# Altium PCB tester_board.PcbDoc (part 1 of 4) (continued)
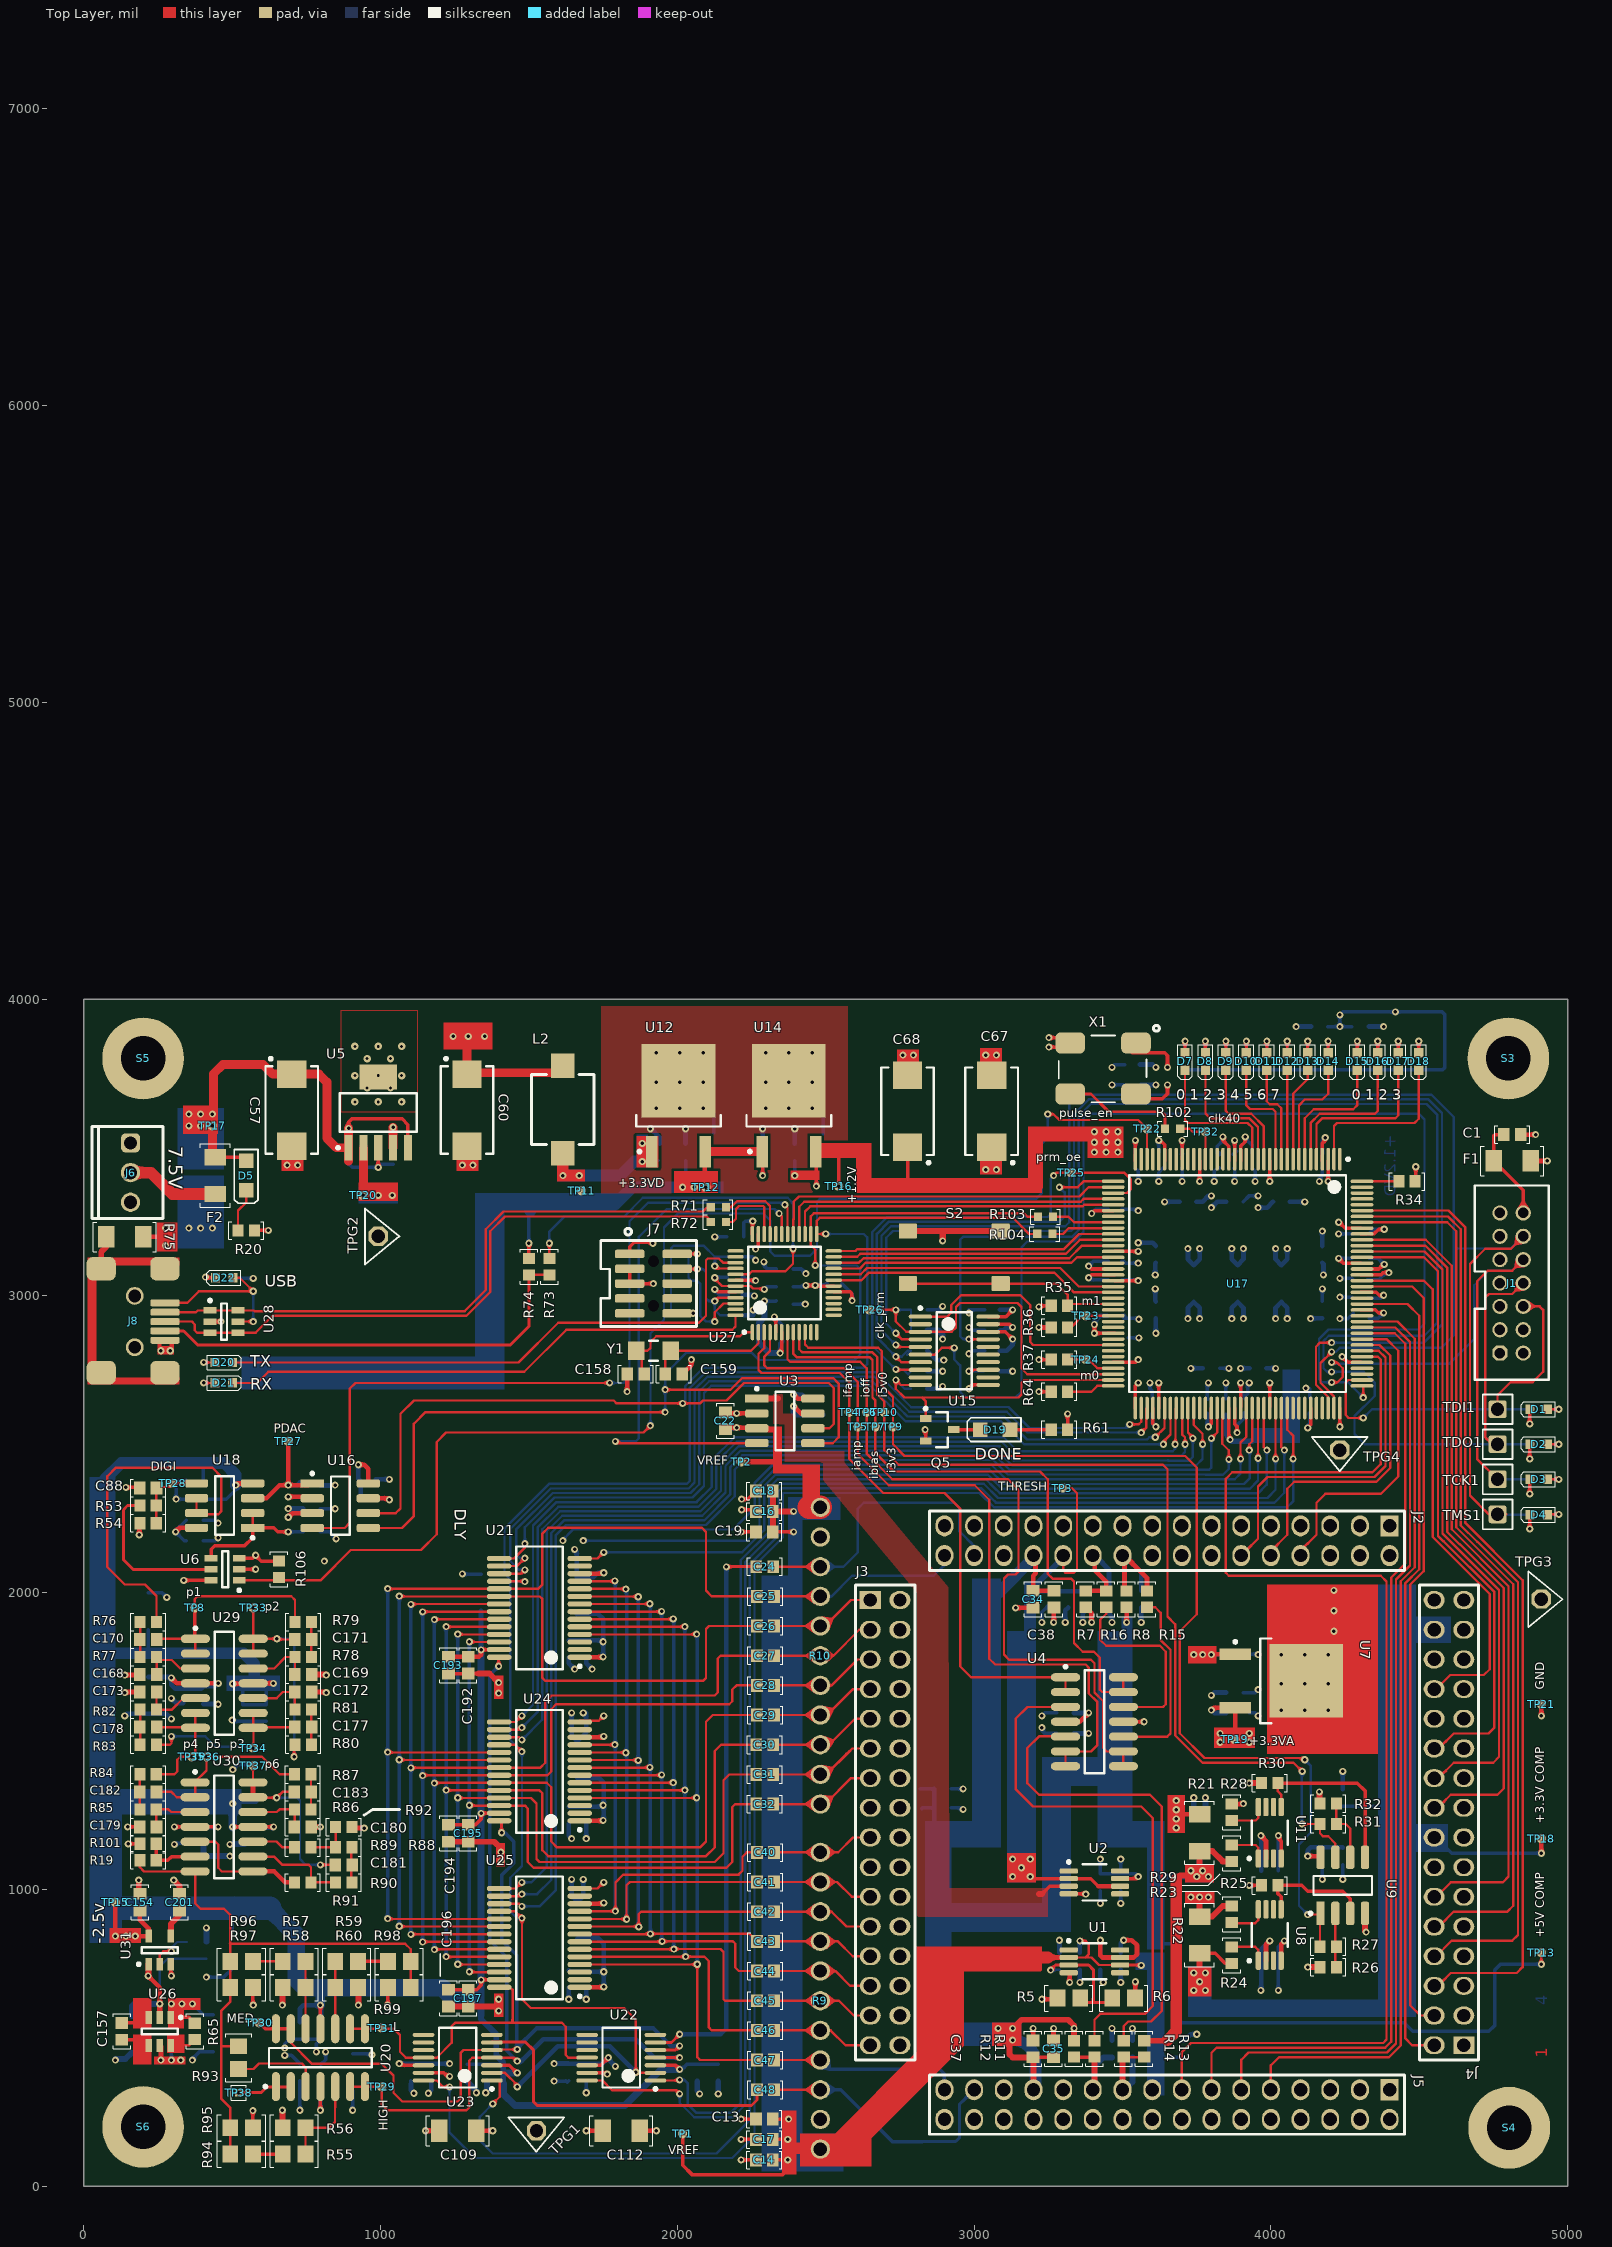
[diagram p0: Top Layer view]
## Footprints (in the part's own frame and the unit in brackets; to place one, negate y for a bottom-side part, rotate by r counter-clockwise, add the part's x,y. Pads: shape width x height; smd on the part's side, far side on the other; paste and mask are expansions set on the pad) (continued)
TPG [mil]
  oct 65x65 hole 45: 1(0,0)
  silkscreen extent -95,-71 94,44
TQFP-144 [mm]
  oval 1.95x0.3 smd mask+0.102: 1(-10.65,8.75) 2(-10.65,8.25) 3(-10.65,7.75) 4(-10.65,7.25) 5(-10.65,6.75) 6(-10.65,6.25) 7(-10.65,5.75) 8(-10.65,5.25) 9(-10.65,4.75) 10(-10.65,4.25) 11(-10.65,3.75) 12(-10.65,3.25) 13(-10.65,2.75) 14(-10.65,2.25) 15(-10.65,1.75) 16(-10.65,1.25) 17(-10.65,0.75) 18(-10.65,0.25) 19(-10.65,-0.25) 20(-10.65,-0.75) 21(-10.65,-1.25) 22(-10.65,-1.75) 23(-10.65,-2.25) 24(-10.65,-2.75) 25(-10.65,-3.25) 26(-10.65,-3.75) 27(-10.65,-4.25) 28(-10.65,-4.75) 29(-10.65,-5.25) 30(-10.65,-5.75) 31(-10.65,-6.25) 32(-10.65,-6.75) 33(-10.65,-7.25) 34(-10.65,-7.75) 35(-10.65,-8.25) 36(-10.65,-8.75) 73(10.65,-8.75) 74(10.65,-8.25) 75(10.65,-7.75) 76(10.65,-7.25) 77(10.65,-6.75) 78(10.65,-6.25) 79(10.65,-5.75) 80(10.65,-5.25) 81(10.65,-4.75) 82(10.65,-4.25) 83(10.65,-3.75) 84(10.65,-3.25) 85(10.65,-2.75) 86(10.65,-2.25) 87(10.65,-1.75) 88(10.65,-1.25) 89(10.65,-0.75) 90(10.65,-0.25) 91(10.65,0.25) 92(10.65,0.75) 93(10.65,1.25) 94(10.65,1.75) 95(10.65,2.25) 96(10.65,2.75) 97(10.65,3.25) 98(10.65,3.75) 99(10.65,4.25) 100(10.65,4.75) 101(10.65,5.25) 102(10.65,5.75) 103(10.65,6.25) 104(10.65,6.75) 105(10.65,7.25) 106(10.65,7.75) 107(10.65,8.25) 108(10.65,8.75)
  oval 0.3x1.95 smd mask+0.102: 37(-8.75,-10.65) 38(-8.25,-10.65) 39(-7.75,-10.65) 40(-7.25,-10.65) 41(-6.75,-10.65) 42(-6.25,-10.65) 43(-5.75,-10.65) 44(-5.25,-10.65) 45(-4.75,-10.65) 46(-4.25,-10.65) 47(-3.75,-10.65) 48(-3.25,-10.65) 49(-2.75,-10.65) 50(-2.25,-10.65) 51(-1.75,-10.65) 52(-1.25,-10.65) 53(-0.75,-10.65) 54(-0.25,-10.65) 55(0.25,-10.65) 56(0.75,-10.65) 57(1.25,-10.65) 58(1.75,-10.65) 59(2.25,-10.65) 60(2.75,-10.65) 61(3.25,-10.65) 62(3.75,-10.65) 63(4.25,-10.65) 64(4.75,-10.65) 65(5.25,-10.65) 66(5.75,-10.65) 67(6.25,-10.65) 68(6.75,-10.65) 69(7.25,-10.65) 70(7.75,-10.65) 71(8.25,-10.65) 72(8.75,-10.65) 109(8.75,10.65) 110(8.25,10.65) 111(7.75,10.65) 112(7.25,10.65) 113(6.75,10.65) 114(6.25,10.65) 115(5.75,10.65) 116(5.25,10.65) 117(4.75,10.65) 118(4.25,10.65) 119(3.75,10.65) 120(3.25,10.65) 121(2.75,10.65) 122(2.25,10.65) 123(1.75,10.65) 124(1.25,10.65) 125(0.75,10.65) 126(0.25,10.65) 127(-0.25,10.65) 128(-0.75,10.65) 129(-1.25,10.65) 130(-1.75,10.65) 131(-2.25,10.65) 132(-2.75,10.65) 133(-3.25,10.65) 134(-3.75,10.65) 135(-4.25,10.65) 136(-4.75,10.65) 137(-5.25,10.65) 138(-5.75,10.65) 139(-6.25,10.65) 140(-6.75,10.65) 141(-7.25,10.65) 142(-7.75,10.65) 143(-8.25,10.65) 144(-8.75,10.65)
  silkscreen extent -10.77,-9.28 9.28,9.57, body extent -10,-10 10,10, height 1.6
TSQFP50P900X900X120-48N [mm] "TSQFP, 48-Leads, Body 7.00x7.00mm, Pitch 0.50mm, IPC Medium Density"
  oval 1.4x0.3 smd: 1(-4.2,2.75) 2(-4.2,2.25) 3(-4.2,1.75) 4(-4.2,1.25) 5(-4.2,0.75) 6(-4.2,0.25) 7(-4.2,-0.25) 8(-4.2,-0.75) 9(-4.2,-1.25) 10(-4.2,-1.75) 11(-4.2,-2.25) 12(-4.2,-2.75) 25(4.2,-2.75) 26(4.2,-2.25) 27(4.2,-1.75) 28(4.2,-1.25) 29(4.2,-0.75) 30(4.2,-0.25) 31(4.2,0.25) 32(4.2,0.75) 33(4.2,1.25) 34(4.2,1.75) 35(4.2,2.25) 36(4.2,2.75)
  oval 0.3x1.4 smd: 13(-2.75,-4.2) 14(-2.25,-4.2) 15(-1.75,-4.2) 16(-1.25,-4.2) 17(-0.75,-4.2) 18(-0.25,-4.2) 19(0.25,-4.2) 20(0.75,-4.2) 21(1.25,-4.2) 22(1.75,-4.2) 23(2.25,-4.2) 24(2.75,-4.2) 37(2.75,4.2) 38(2.25,4.2) 39(1.75,4.2) 40(1.25,4.2) 41(0.75,4.2) 42(0.25,4.2) 43(-0.25,4.2) 44(-0.75,4.2) 45(-1.25,4.2) 46(-1.75,4.2) 47(-2.25,4.2) 48(-2.75,4.2)
  silkscreen extent -4.32,-3.1 3.1,3.57, body extent -4.5,-4.5 4.5,4.5, height 1.2
TSSOP-14 [mm] "TSSOP, 14-Leads, Body 5.50x4.40mm, Pitch 0.65mm, IPC Low Density"
  oval 1.85x0.35 smd: 1(-2.925,1.95) 2(-2.925,1.3) 3(-2.925,0.65) 4(-2.925,0) 5(-2.925,-0.65) 6(-2.925,-1.3) 7(-2.925,-1.95) 8(2.925,-1.95) 9(2.925,-1.3) 10(2.925,-0.65) 11(2.925,0) 12(2.925,0.65) 13(2.925,1.3) 14(2.925,1.95)
  silkscreen extent -3.05,-2.55 1.6,2.8, body extent -2.25,-2.55 2.25,2.55, height 1.2
XTAL-SMD [mm]
  rrect50% 2.54x1.803 smd: 1(-2.75,-2.25) 2(2.875,-2.25) 3(2.875,2.125) 4(-2.75,2.125)
  silkscreen extent -4.75,-3.75 3.85,2.83

## Part data
C1 C2 C4 C9 C11 C13 C19 C21 C23 C36 C37 C38 C55 C58 C59 C62 C64 C70 C73 C75 C79 C80 C93 C95 C98 C101 C104 C107 C110 C113 C118 C123 C130 C131 C132 C133 C140 C144 C147 C157 C160 C164 C166 C175 C184 C187 C190 C192 C194 C196 C198 C202: library part Murata/GRM188R61E105KA12D, "CAP-CER, 2, 1.0uF, 10%, 25V, 0603", Capacitance=1µF, Manufacturer="Murata Electronics North America", Manufacturer Part Number=GRM188R61E105KA12D, Operating Temperature="-55°C ~ 85°C", Package / Case="0603 (1608 Metric)", Ratings=-, Supplier Part Number 1=490-3897-1-ND, Temperature Coefficient=X5R, Tolerance=±10%, Voltage - Rated=25V, Applications="General Purpose", Category=Capacitors, ComponentLink1Description=http://www.murata.com/~/media/webrenewal/support/library/catalog/products/capacitor/mlcc/c02e.pdf, ComponentLink1URL=http://www.murata.com/~/media/webrenewal/support/library/catalog/products/capacitor/mlcc/c02e.pdf, Features=-, Height - Seated (Max)=-, Lead Spacing=-, Lead Style=-, Mounting Type="Surface Mount, MLCC", Packaging="Cut Tape (CT)", Pricing 1="1=0.1, 10=0.036, 50=0.0196, 100=0.0165, 250=0.01352, 500=0.01156, 1000=0.009 (USD)", RoHS="RoHS Compliant", Size / Dimension="0.063\" L x 0.031\" W (1.60mm x 0.80mm)", Stock 1=1899119, Supplier 1=Digi-Key, Thickness (Max)="0.035\" (0.90mm)"
C3 C5 C6 C7 C8 C10 C14 C15 C16 C17 C18 C20 C22 C33 C34 C35 C51 C52 C53 C54 C56 C61 C63 C66 C72 C74 C76 C77 C82 C83 C84 C85 C86 C87 C89 C90 C91 C92 C94 C99 C102 C105 C108 C111 C114 C115 C116 C119 C124 C125 C134 C141 C145 C152 C154 C176 C185 C188 C191 C193 C195 C197 C199 C201 C203 C204: library part CAP/06035C104KAT2A, "CAP-CER, 2, 0.1uF, 10%, 50V, 0603, X7R", Capacitance=0.10µF, Manufacturer="AVX Corporation", Manufacturer Part Number=06035C104KAT2A, Operating Temperature="-55°C ~ 125°C", Package / Case="0603 (1608 Metric)", Ratings=-, Supplier Part Number 1=478-5052-1-ND, Temperature Coefficient=X7R, Tolerance=±10%, Voltage - Rated=50V, Applications="General Purpose", Category=Capacitors, ComponentLink1Description=http://datasheets.avx.com/X7RDielectric.pdf, ComponentLink1URL=http://datasheets.avx.com/X7RDielectric.pdf, Features=-, Height - Seated (Max)=-, Lead Spacing=-, Lead Style=-, Mounting Type="Surface Mount, MLCC", Packaging="Cut Tape (CT)", Pricing 1="1=0.1, 10=0.036, 25=0.0264, 50=0.0198, 100=0.0162, 250=0.01352, 500=0.01156, 1000=0.00908 (USD)", RoHS="RoHS Compliant", Size / Dimension="0.063\" L x 0.032\" W (1.60mm x 0.81mm)", Stock 1=4412408, Supplier 1=Digi-Key, Supplier 2=Newark, Supplier Part Number 2=54K2412, Thickness (Max)="0.035\" (0.90mm)"
C12 C49 C50 C120 C121 C126 C127 C128 C129 C135 C136 C137 C138 C142 C143 C146 C148 C149 C150 C161 C162 C163 C165 C167: library part CAP/GRM188R71H103KA01D, "CAP-CER, 2, 0.01uF, 10%, 50V, X7R, 0603", Capacitance=10000pF, Manufacturer="Murata Electronics North America", Manufacturer Part Number=GRM188R71H103KA01D, Operating Temperature="-55°C ~ 125°C", Package / Case="0603 (1608 Metric)", Ratings=-, Supplier Part Number 1=490-1512-1-ND, Temperature Coefficient=X7R, Tolerance=±10%, Voltage - Rated=50V, Applications="General Purpose", Category=Capacitors, ComponentLink1Description=http://www.murata.com/~/media/webrenewal/support/library/catalog/products/capacitor/mlcc/c02e.pdf, ComponentLink1URL=http://www.murata.com/~/media/webrenewal/support/library/catalog/products/capacitor/mlcc/c02e.pdf, Features=-, Height - Seated (Max)=-, Lead Spacing=-, Lead Style=-, Mounting Type="Surface Mount, MLCC", Packaging="Cut Tape (CT)", Pricing 1="1=0.1, 10=0.019, 50=0.01, 100=0.0085, 250=0.00696, 500=0.00596, 1000=0.00465 (USD)", RoHS="RoHS Compliant", Size / Dimension="0.063\" L x 0.031\" W (1.60mm x 0.80mm)", Stock 1=3035311, Supplier 1=Digi-Key, Supplier 2=Newark, Supplier Part Number 2=38K1669, Thickness (Max)="0.035\" (0.90mm)"
C24 C25 C26 C27 C28 C29 C30 C31 C32 C40 C41 C42 C43 C44 C45 C46 C47 C48 C181: library part CAP/GRM188R71H102KA01D, "CAP-CER, 0, 1000pF, 10%, 50V, 0603", Capacitance=1000pF, Manufacturer="Murata Electronics North America", Manufacturer Part Number=GRM188R71H102KA01D, Operating Temperature="-55°C ~ 125°C", Package / Case="0603 (1608 Metric)", Ratings=-, Supplier Part Number 1=490-1494-6-ND, Temperature Coefficient=X7R, Tolerance=±10%, Voltage - Rated=50V, Applications="General Purpose", Category=Capacitors, ComponentLink1Description=http://www.murata.com/~/media/webrenewal/support/library/catalog/products/capacitor/mlcc/c02e.pdf, ComponentLink1URL=http://www.murata.com/~/media/webrenewal/support/library/catalog/products/capacitor/mlcc/c02e.pdf, Features=-, Height - Seated (Max)=-, Lead Spacing=-, Lead Style=-, Mounting Type="Surface Mount, MLCC", Packaging=Digi-Reel®, Pricing 1="1=0.1, 10=0.02, 50=0.0108, 100=0.0091, 250=0.00744, 500=0.00636, 1000=0.00495 (USD)", RoHS="RoHS Compliant", Size / Dimension="0.063\" L x 0.031\" W (1.60mm x 0.80mm)", Stock 1=1044569, Supplier 1=Digi-Key, Supplier 2=Newark, Supplier Part Number 2=51B220, Thickness (Max)="0.035\" (0.90mm)"
C39 C65 C71 C78 C81 C97 C100 C103 C106 C109 C112 C117 C122 C139 C151 C153 C155 C174 C186 C189: library part CAP/GMK316F106ZL-T, "CAP-CER, 2, 10uF, 10%, 35V, 1206", Capacitance=10µF, Manufacturer="Taiyo Yuden", Manufacturer Part Number=GMK316F106ZL-T, Operating Temperature="-30°C ~ 85°C", Package / Case="1206 (3216 Metric)", Ratings=-, Supplier Part Number 1=587-1352-1-ND, Temperature Coefficient="Y5V (F)", Tolerance="-20%, +80%", Voltage - Rated=35V, Applications="General Purpose", Category=Capacitors, ComponentLink1Description=http://ds.yuden.co.jp/TYCOMPAS/ut/detail.do?productNo=GMK316F106ZL-T&fileName=GMK316F106ZL-T_SS&mode=specSheetDownload, ComponentLink1URL=http://ds.yuden.co.jp/TYCOMPAS/ut/detail.do?productNo=GMK316F106ZL-T&fileName=GMK316F106ZL-T_SS&mode=specSheetDownload, Features=-, Height - Seated (Max)=-, Lead Spacing=-, Lead Style=-, Mounting Type="Surface Mount, MLCC", Packaging="Cut Tape (CT)", Pricing 1="1=0.46, 10=0.345, 50=0.2012, 100=0.161, 250=0.115, 500=0.0782, 1000=0.06325 (USD)", RoHS="RoHS Compliant", Size / Dimension="0.126\" L x 0.063\" W (3.20mm x 1.60mm)", Stock 1=249989, Supplier 1=Digi-Key, Thickness (Max)="0.071\" (1.80mm)"
C57: library part T491D227K016AT, "CAP-TANT, 2, 220UF 16V 10% 2917", Capacitance=220µF, ESR (Equivalent Series Resistance)="500 mOhm", Lifetime @ Temp.="2000 Hrs @ 85°C", Manufacturer=KEMET, Manufacturer Size Code=D, Operating Temperature="-55°C ~ 125°C", Package=2917, Package / Case="2917 (7343 Metric)", Supplier Part Number 1=399-10429-1-ND, Tolerance=±10%, Voltage - Rated=16V, Category=Capacitors, ComponentLink1Description=http://www.kemet.com/Lists/ProductCatalog/Attachments/254/KEM_T2005_T491.pdf, ComponentLink1URL=http://www.kemet.com/Lists/ProductCatalog/Attachments/254/KEM_T2005_T491.pdf, Failure Rate=-, Features="General Purpose", Height - Seated (Max)="0.122\" (3.10mm)", Lead Spacing=-, Manufacturer Part Number=T491D227K016AT, Mounting Type="Surface Mount", Packaging="Cut Tape (CT)", Part Status=Active, Pricing 1="1=1.28, 10=1.009, 25=0.9248, 50=0.8744, 100=0.7568, 250=0.67268 (USD)", Pricing 2="1=1.28, 10=1.009, 25=0.9248, 50=0.8744, 100=0.7568, 250=0.67268 (USD)", RoHS="RoHS Compliant", Size / Dimension="0.287\" L x 0.169\" W (7.30mm x 4.30mm)", Stock 1=48724, Stock 2=48724, Supplier 1=Digi-Key, Supplier 2=Digi-Key, Supplier Part Number 2=399-10429-6-ND, Type=Molded
C60 C67 C68: library part CAP/TAJE107K016R, "CAP-TANT, 2, 100uF, 10%, 16V, 2917", Capacitance=100µF, ESR (Equivalent Series Resistance)="900 mOhm", Lifetime @ Temp.=-, Manufacturer="AVX Corporation", Manufacturer Part Number=TAJE107K016RNJ, Manufacturer Size Code=E, Operating Temperature="-55°C ~ 125°C", Package / Case="2917 (7343 Metric)", Supplier Part Number 1=478-3945-1-ND, Tolerance=±10%, Voltage - Rated=16V, Category=Capacitors, ComponentLink1Description=http://datasheets.avx.com/TAJ.pdf, ComponentLink1URL=http://datasheets.avx.com/TAJ.pdf, Features="General Purpose", Height - Seated (Max)="0.169\" (4.30mm)", Lead Spacing=-, Mounting Type="Surface Mount", Packaging="Cut Tape (CT)", Pricing 1="1=1.95, 10=1.595, 100=1.1281 (USD)", RoHS="RoHS Compliant", Size / Dimension="0.287\" L x 0.169\" W (7.30mm x 4.30mm)", Stock 1=186, Supplier 1=Digi-Key, Supplier 2=Newark, Supplier Part Number 2=60R6026, Type=Molded
C88 C168 C169 C170 C171 C172 C173 C177 C178 C179 C180 C182 C183 C200: library part AVX/06035A101KAT2A, "CAP-CER, 0, 100pF, 10%, 50V, 0603", Manufacturer="AVX Corporation", Manufacturer Part Number=06035A101KAT2A, Operating Temperature="-55°C ~ 125°C", Package / Case="0603 (1608 Metric)", Ratings=-, Supplier Part Number 1=478-3717-1-ND, Temperature Coefficient="C0G, NP0", Tolerance=±10%, Voltage - Rated=50V, Applications="General Purpose", Capacitance=100pF, Category=Capacitors, ComponentLink1Description=http://catalogs.avx.com/SurfaceMount.pdf, ComponentLink1URL=http://catalogs.avx.com/SurfaceMount.pdf, Features=-, Height - Seated (Max)=-, Lead Spacing=-, Lead Style=-, Mounting Type="Surface Mount, MLCC", Packaging="Cut Tape (CT)", Part Status=Active, Pricing 1="1=0.16, 10=0.117, 25=0.0856, 50=0.0664, 100=0.0551, 250=0.04556, 500=0.03862, 1000=0.03197 (USD)", RoHS="RoHS Compliant", Size / Dimension="0.063\" L x 0.032\" W (1.60mm x 0.81mm)", Stock 1=55355, Supplier 1=Digi-Key, Thickness (Max)="0.035\" (0.90mm)"
C158 C159: library part CAP/C0603C220J1GACTU, "CAP-CER, 0, 22pF, 10%, 100V, 0603, NP0", Manufacturer=Kemet, Manufacturer Part Number=C0603C220J1GACTU, Operating Temperature="-55°C ~ 125°C", Package / Case="0603 (1608 Metric)", Ratings=-, Supplier Part Number 1=399-7874-1-ND, Temperature Coefficient="C0G, NP0", Tolerance=±5%, Voltage - Rated=100V, Applications="General Purpose", Capacitance=22pF, Category=Capacitors, ComponentLink1Description=http://www.kemet.com/docfinder?Partnumber=C0603C220J1GACTU, ComponentLink1URL=http://www.kemet.com/docfinder?Partnumber=C0603C220J1GACTU, Features="Low ESL", Height - Seated (Max)=-, Lead Spacing=-, Lead Style=-, Mounting Type="Surface Mount, MLCC", Packaging="Cut Tape (CT)", Pricing 1="1=0.1, 10=0.041, 50=0.0222, 100=0.0187, 250=0.01532, 500=0.0131, 1000=0.0102 (USD)", RoHS="RoHS Compliant", Size / Dimension="0.063\" L x 0.031\" W (1.60mm x 0.80mm)", Stock 1=315216, Supplier 1=Digi-Key, Supplier 2=Newark, Supplier Part Number 2=06R5147, Thickness (Max)="0.034\" (0.87mm)"
D1: "LED, 20mA, 0603, Green", Supplier Part Number 1=160-1446-1-ND, Supplier 1=Digi-Key
D2 D21: "LED, 2mA, 0603, Soft Orange", Color=Orange, Current - Test=2mA, Lens Color=-, Manufacturer="Vishay Semiconductor Opto Division", Manufacturer Part Number=TLMO1000-GS08, Millicandela Rating=7.5mcd, Package / Case="0603 (1608 Metric)", Supplier Device Package=0603, Supplier Part Number 1=TLMO1000-GS08CT-ND, Voltage - Forward (Vf) (Typ)=1.8V, Category=Optoelectronics, ComponentLink1Description=http://www.vishay.com/docs/83172/tlmo1000.pdf, ComponentLink1URL=http://www.vishay.com/docs/83172/tlmo1000.pdf, Features=-, Height (Max)=0.65mm, Lens Style/Size="Rectangle with Flat Top, 1.60mm x 0.80mm", Lens Transparency=-, Mounting Type="Surface Mount", Packaging="Cut Tape (CT)", Pricing 1="1=0.52, 10=0.372, 25=0.304, 100=0.2432, 250=0.20524, 500=0.17482, 1000=0.13682 (USD)", RoHS="RoHS Compliant", Size / Dimension="1.60mm L x 0.80mm W", Stock 1=182, Supplier 1=Digi-Key, Viewing Angle=160°, Wavelength - Dominant=605nm, Wavelength - Peak=610nm
D3 D7 D8 D9 D10 D11 D12 D13 D14 D15 D16 D17 D18 D22: "LED, 2mA, 0603, Red", Color=Red, Current - Test=2mA, Lens Color=-, Manufacturer="Vishay Semiconductor Opto Division", Manufacturer Part Number=TLMS1000-GS08, Millicandela Rating=4mcd, Package / Case="0603 (1608 Metric)", Supplier Device Package=0603, Supplier Part Number 1=TLMS1000-GS08CT-ND, Voltage - Forward (Vf) (Typ)=1.8V, Category=Optoelectronics, ComponentLink1Description=http://www.vishay.com/docs/83172/tlmo1000.pdf, ComponentLink1URL=http://www.vishay.com/docs/83172/tlmo1000.pdf, Features=-, Height (Max)=0.65mm, Lens Style/Size="Rectangle with Flat Top, 1.60mm x 0.80mm", Lens Transparency=-, Mounting Type="Surface Mount", Packaging="Cut Tape (CT)", Pricing 1="1=0.52, 10=0.372, 25=0.304, 100=0.2432, 250=0.20524, 500=0.17482, 1000=0.13682 (USD)", RoHS="RoHS Compliant", Size / Dimension="1.60mm L x 0.80mm W", Stock 1=12598, Supplier 1=Digi-Key, Supplier 2=Newark, Supplier Part Number 2=35M3052, Viewing Angle=160°, Wavelength - Dominant=628nm, Wavelength - Peak=640nm
D4: "LED, 2mA, 0603, Yellow", Color=Yellow, Current - Test=2mA, Lens Color=-, Manufacturer="Vishay Semiconductor Opto Division", Manufacturer Part Number=TLMY1000-GS08, Millicandela Rating=7.5mcd, Package / Case="0603 (1608 Metric)", Supplier Device Package=0603, Supplier Part Number 1=TLMY1000-GS08CT-ND, Voltage - Forward (Vf) (Typ)=1.8V, Category=Optoelectronics, ComponentLink1Description=http://www.vishay.com/docs/83172/tlmo1000.pdf, ComponentLink1URL=http://www.vishay.com/docs/83172/tlmo1000.pdf, Features=-, Height (Max)=0.65mm, Lens Style/Size="Rectangle with Flat Top, 1.60mm x 0.80mm", Lens Transparency=-, Mounting Type="Surface Mount", Packaging="Cut Tape (CT)", Part Status=Active, Pricing 1="1=0.52, 10=0.372, 25=0.304, 100=0.2432, 250=0.20524, 500=0.17482, 1000=0.13682 (USD)", RoHS="RoHS Compliant", Size / Dimension="1.60mm L x 0.80mm W", Stock 1=10152, Supplier 1=Digi-Key, Viewing Angle=160°, Wavelength - Dominant=588nm, Wavelength - Peak=591nm
D5 D19: "LED, 20mA, 0805, Red", Supplier Part Number 1=160-1427-1-ND, Supplier 1=Digi-Key
D6: library part ONSEMI/1SMB5931BT3G, "Diode, Zener, 18V, 3W, SMB", Current - Reverse Leakage @ Vr="1µA @ 13.7V", Manufacturer="ON Semiconductor", Manufacturer Part Number=1SMB5931BT3G, Operating Temperature="-65°C ~ 150°C", Package / Case="DO-214AA, SMB", Power - Max=3W, Supplier Device Package=SMB, Supplier Part Number 1=1SMB5931BT3GOSCT-ND, Tolerance=±5%, Voltage - Forward (Vf) (Max) @ If="1.5V @ 200mA", Category="Discrete Semiconductor Products", ComponentLink1Description=http://www.onsemi.com/pub_link/Collateral/1SMB5913BT3-D.PDF, ComponentLink1URL=http://www.onsemi.com/pub_link/Collateral/1SMB5913BT3-D.PDF, Impedance (Max) (Zzt)="12 Ohm", Mounting Type="Surface Mount", Packaging="Cut Tape (CT)", Part Status=Active, Pricing 1="1=0.47, 10=0.35, 100=0.2183, 500=0.14928, 1000=0.11474 (USD)", RoHS="RoHS Compliant", Stock 1=25092, Supplier 1=Digi-Key, Supplier 2=Newark, Supplier Part Number 2=45J2455, Voltage - Zener (Nom) (Vz)=18V
D20: "LED, 20mA, 0603, Green", Supplier 1=Digi-Key
F1 F2: "FUSE, Resetable, 1206 Generic"
J1: "Header 8x2 2.0mm", Color=Black, Manufacturer="Molex, LLC", Manufacturer Part Number=0878311420, Supplier Part Number 1=WM17469-ND, Category="Connectors, Interconnects", ComponentLink1Description=http://www.molex.com/pdm_docs/sd/878311420_sd.pdf, ComponentLink1URL=http://www.molex.com/pdm_docs/sd/878311420_sd.pdf, Connector Type="Header, Shrouded", Contact Finish=Gold, Contact Finish Thickness="15µin (0.38µm)", Contact Mating Length="0.141\" (3.60mm)", Contact Type="Male Pin", Fastening Type="Latch Holder", Features=-, Mounting Type="Through Hole", Number of Positions=14, Number of Positions Loaded=All, Number of Rows=2, Packaging=Tube, Part Status=Active, Pitch="0.079\" (2.00mm)", Pricing 1="1=1.37, 10=1.239, 25=1.1632, 50=1.1126, 100=1.062, 250=0.96084, 500=0.88498, 1000=0.75855, 2500=0.70798 (USD)", RoHS="RoHS Compliant", Row Spacing="0.079\" (2.00mm)", Stock 1=12951, Supplier 1=Digi-Key, Termination=Solder
J2 J3 J4 J5: "Header, 02x16, 100 mil, PTH", Color=Black, Manufacturer="TE Connectivity AMP Connectors", Manufacturer Part Number=6-534206-6, Supplier Part Number 1=A32946-ND, Category="Connectors, Interconnects", ComponentLink1Description=http://www.te.com/commerce/DocumentDelivery/DDEController?Action=srchrtrv&DocNm=534206&DocType=Customer+Drawing&DocLang=English, ComponentLink1URL=http://www.te.com/commerce/DocumentDelivery/DDEController?Action=srchrtrv&DocNm=534206&DocType=Customer+Drawing&DocLang=English, Connector Type=Receptacle, Contact Finish=Gold, Contact Finish Thickness="30µin (0.76µm)", Contact Type="Female Socket", Fastening Type=-, Features=-, Mounting Type="Through Hole", Number of Positions=32, Number of Positions Loaded=All, Number of Rows=2, Packaging=Tube, Part Status=Active, Pitch="0.100\" (2.54mm)", Pricing 1="1=4.43, 10=4.255, 50=3.7234, 100=3.546, 250=3.10276, 500=3.0141, 1000=2.57085, 2500=2.561 (USD)", RoHS="RoHS Compliant", Row Spacing="0.100\" (2.54mm)", Stock 1=447, Supplier 1=Digi-Key, Termination=Solder
J6: "HEADER, Friction Lock, 3x1", Color=Natural, Manufacturer="TE Connectivity AMP Connectors", Manufacturer Part Number=640456-3, Supplier Part Number 1=A19470-ND, Category="Connectors, Interconnects", ComponentLink1Description=http://www.te.com/commerce/DocumentDelivery/DDEController?Action=srchrtrv&DocNm=640456&DocType=Customer+Drawing&DocLang=English, ComponentLink1URL=http://www.te.com/commerce/DocumentDelivery/DDEController?Action=srchrtrv&DocNm=640456&DocType=Customer+Drawing&DocLang=English, Connector Type="Header, Unshrouded", Contact Finish=Tin, Contact Finish Thickness=-, Contact Mating Length="0.295\" (7.49mm)", Contact Type="Male Pin", Fastening Type="Friction Lock", Features=-, Mounting Type="Through Hole", Number of Positions=3, Number of Positions Loaded=All, Number of Rows=1, Packaging=Bulk, Pitch="0.100\" (2.54mm)", Pricing 1="1=0.13, 10=0.119, 100=0.095, 500=0.088, 1000=0.081, 2000=0.075, 5000=0.07, 10000=0.056, 25000=0.052 (USD)", RoHS="RoHS Compliant", Row Spacing=-, Stock 1=39841, Supplier 1=Digi-Key, Termination=Solder
J7: library part Samtec/TSH-105-01, "Header, 1.27mm, 02x05", Color=Black, Manufacturer="Samtec Inc.", Manufacturer Part Number=FTSH-105-01-F-DV-K, Supplier Part Number 1=SAM8796-ND, Category="Connectors, Interconnects", ComponentLink1Description=http://suddendocs.samtec.com/prints/ftsh-1xx-xx-xxx-dv-xxx-mkt.pdf, ComponentLink1URL=http://suddendocs.samtec.com/prints/ftsh-1xx-xx-xxx-dv-xxx-mkt.pdf, Connector Type="Header, Shrouded", Contact Finish=Gold, Contact Finish Thickness="3µin (0.08µm)", Contact Mating Length="0.120\" (3.05mm)", Contact Type="Male Pin", Fastening Type=-, Features=-, Mounting Type="Surface Mount", Number of Positions=10, Number of Positions Loaded=All, Number of Rows=2, Packaging=Tube, Pitch="0.050\" (1.27mm)", Pricing 1="1=3.02, 10=2.552, 50=2.204, 100=1.972, 250=1.74, 500=1.624, 1000=1.508, 2500=1.45, 5000=1.421 (USD)", RoHS="RoHS Compliant", Row Spacing="0.050\" (1.27mm)", Stock 1=4301, Supplier 1=Digi-Key, Termination=Solder
J8: library part Samtec/MUSB-05-S-B-SM-A, "USB, Mini-USB, SMD", Manufacturer="Samtec Inc.", Manufacturer Part Number=MUSB-05-S-B-SM-A, Supplier Part Number 1=SAM8841-ND, Category="Connectors, Interconnects", ComponentLink1Description=http://suddendocs.samtec.com/prints/musb-05-x-b-sm-a-x-xx-mkt.pdf, ComponentLink1URL=http://suddendocs.samtec.com/prints/musb-05-x-b-sm-a-x-xx-mkt.pdf, Connector Type="USB - mini B", Features="Board Guide, Solder Retention", Gender=Receptacle, Ingress Protection=-, Mounting Type="Surface Mount, Right Angle, Horizontal", Number of Contacts=5, Packaging=Tray, Pricing 1="1=1.48, 10=1.222, 50=1.018, 100=0.9162, 250=0.84496, 500=0.7635, 1000=0.67697, 2500=0.64898, 5000=0.63625 (USD)", RoHS="RoHS Compliant", Specifications="USB 2.0", Stock 1=1209, Supplier 1=Digi-Key
L2: "IND, 22uH, 500mA", Supplier Part Number 1=59T0308, Supplier 1=Newark
Q5: library part Fairchild/BSS138, "Trans, nFet, 50V, 220mA, SOT-23", Current - Continuous Drain (Id) @ 25°C="220mA (Ta)", Drain to Source Voltage (Vdss)=50V, Input Capacitance (Ciss) @ Vds="27pF @ 25V", Manufacturer="Fairchild Semiconductor", Operating Temperature="-55°C ~ 150°C (TJ)", Package / Case="TO-236-3, SC-59, SOT-23-3", Power - Max=360mW, Supplier Device Package=SOT-23-3, Supplier Part Number 1=BSS138CT-ND, Category="Discrete Semiconductor Products", ComponentLink1Description=http://www.fairchildsemi.com/datasheets/BS/BSS138.pdf, ComponentLink1URL=http://www.fairchildsemi.com/datasheets/BS/BSS138.pdf, FET Feature="Logic Level Gate", FET Type="MOSFET N-Channel, Metal Oxide", Gate Charge (Qg) @ Vgs="2.4nC @ 10V", Manufacturer Part Number=BSS138, Mounting Type="Surface Mount", Packaging="Cut Tape (CT)", Pricing 1="1=0.22, 10=0.178, 100=0.0945, 500=0.06214, 1000=0.04234 (USD)", Rds On (Max) @ Id, Vgs="3.5 Ohm @ 220mA, 10V", RoHS="RoHS Compliant", Stock 1=524637, Supplier 1=Digi-Key, Supplier 2=Newark, Supplier Part Number 2=58K8769, Vgs(th) (Max) @ Id="1.5V @ 1mA"
R1 R2 R3 R4 R20 R26 R32 R41 R42 R43 R44 R45 R46 R47 R48 R49 R50 R51 R52 R61 R67 R68 R70: library part CRCW06031K00FKEA, "RES1, SMD, 1.00k, 1.0%, 1/10W, 0603", Manufacturer="Vishay Dale", Operating Temperature="-55°C ~ 155°C", Package / Case="0603 (1608 Metric)", Power (Watts)="0.1W, 1/10W", Supplier Device Package=0603, Supplier Part Number 1=541-1.00KHCT-ND, Temperature Coefficient=±100ppm/°C, Tolerance=±1%, Category=Resistors, ComponentLink1Description=http://www.vishay.com/docs/20035/dcrcwe3.pdf, ComponentLink1URL=http://www.vishay.com/docs/20035/dcrcwe3.pdf, Composition="Thick Film", Features="Automotive AEC-Q200", Height="0.020\" (0.50mm)", Manufacturer Part Number=CRCW06031K00FKEA, Number of Terminations=2, Packaging="Cut Tape (CT)", Pricing 1="1=0.1, 10=0.03, 25=0.022, 50=0.0168, 100=0.0123, 250=0.0094, 500=0.00752, 1000=0.00554, 2500=0.00481 (USD)", Resistance (Ohms)=1k, RoHS="RoHS Compliant", Size / Dimension="0.061\" L x 0.033\" W (1.55mm x 0.85mm)", Stock 1=770011, Supplier 1=Digi-Key, Supplier 2=Newark, Supplier Part Number 2=52K8015
R5: library part CRCW0805200RFKEA, "RES0, SMD,  200Z, 1.0%, 1/10W, 0805", Manufacturer="Vishay Dale", Operating Temperature="-55°C ~ 155°C", Package / Case="0805 (2012 Metric)", Power (Watts)="0.125W, 1/8W", Resistance (Ohms)=200, Supplier Device Package=0805, Supplier Part Number 1=541-200CCT-ND, Temperature Coefficient=±100ppm/°C, Tolerance=±1%, Category=Resistors, ComponentLink1Description=http://www.vishay.com/docs/20035/dcrcwe3.pdf, ComponentLink1URL=http://www.vishay.com/docs/20035/dcrcwe3.pdf, Composition="Thick Film", Failure Rate=-, Features="Automotive AEC-Q200", Height - Seated (Max)="0.020\" (0.50mm)", Manufacturer Part Number=CRCW0805200RFKEA, Number of Terminations=2, Packaging="Cut Tape (CT)", Part Status=Active, Pricing 1="1=0.1, 10=0.04, 25=0.0288, 50=0.022, 100=0.0162, 250=0.01236, 500=0.0099, 1000=0.00729, 2500=0.00632 (USD)", RoHS="RoHS Compliant", Size / Dimension="0.079\" L x 0.049\" W (2.00mm x 1.25mm)", Stock 1=204736, Supplier 1=Digi-Key
R6: library part CRCW0805510RFKEA, "RES0, SMD,  510Z, 1.0%, 1/10W, 0805", Manufacturer="Vishay Dale", Operating Temperature="-55°C ~ 155°C", Package / Case="0805 (2012 Metric)", Power (Watts)="0.125W, 1/8W", Resistance (Ohms)=510, Supplier Device Package=0805, Supplier Part Number 1=541-510CCT-ND, Temperature Coefficient=±100ppm/°C, Tolerance=±1%, Category=Resistors, ComponentLink1Description=http://www.vishay.com/docs/20035/dcrcwe3.pdf, ComponentLink1URL=http://www.vishay.com/docs/20035/dcrcwe3.pdf, Composition="Thick Film", Failure Rate=-, Features="Automotive AEC-Q200", Height - Seated (Max)="0.020\" (0.50mm)", Manufacturer Part Number=CRCW0805510RFKEA, Number of Terminations=2, Packaging="Cut Tape (CT)", Part Status=Active, Pricing 1="1=0.1, 10=0.04, 25=0.0288, 50=0.022, 100=0.0162, 250=0.01236, 500=0.0099, 1000=0.00729, 2500=0.00632 (USD)", RoHS="RoHS Compliant", Size / Dimension="0.079\" L x 0.049\" W (2.00mm x 1.25mm)", Stock 1=33353, Supplier 1=Digi-Key
R7: library part CRCW0603130KFKEA, "RES1, SMD,  130k, 1.0%, 1/10W, 0603", Manufacturer="Vishay Dale", Operating Temperature="-55°C ~ 155°C", Package / Case="0603 (1608 Metric)", Power (Watts)="0.1W, 1/10W", Supplier Device Package=0603, Supplier Part Number 1=541-130KHCT-ND, Temperature Coefficient=±100ppm/°C, Tolerance=±1%, Category=Resistors, ComponentLink1Description=http://www.vishay.com/docs/20035/dcrcwe3.pdf, ComponentLink1URL=http://www.vishay.com/docs/20035/dcrcwe3.pdf, Composition="Thick Film", Failure Rate=-, Features="Automotive AEC-Q200", Height - Seated (Max)="0.020\" (0.50mm)", Manufacturer Part Number=CRCW0603130KFKEA, Number of Terminations=2, Packaging="Cut Tape (CT)", Part Status=Active, Pricing 1="1=0.1, 10=0.03, 25=0.022, 50=0.0168, 100=0.0123, 250=0.0094, 500=0.00752, 1000=0.00554, 2500=0.00481 (USD)", Resistance (Ohms)=130k, RoHS="RoHS Compliant", Size / Dimension="0.063\" L x 0.033\" W (1.60mm x 0.85mm)", Stock 1=32167, Supplier 1=Digi-Key